# KiCad board data-center-rdimm-ddr5-tester.kicad_pcb (continued)
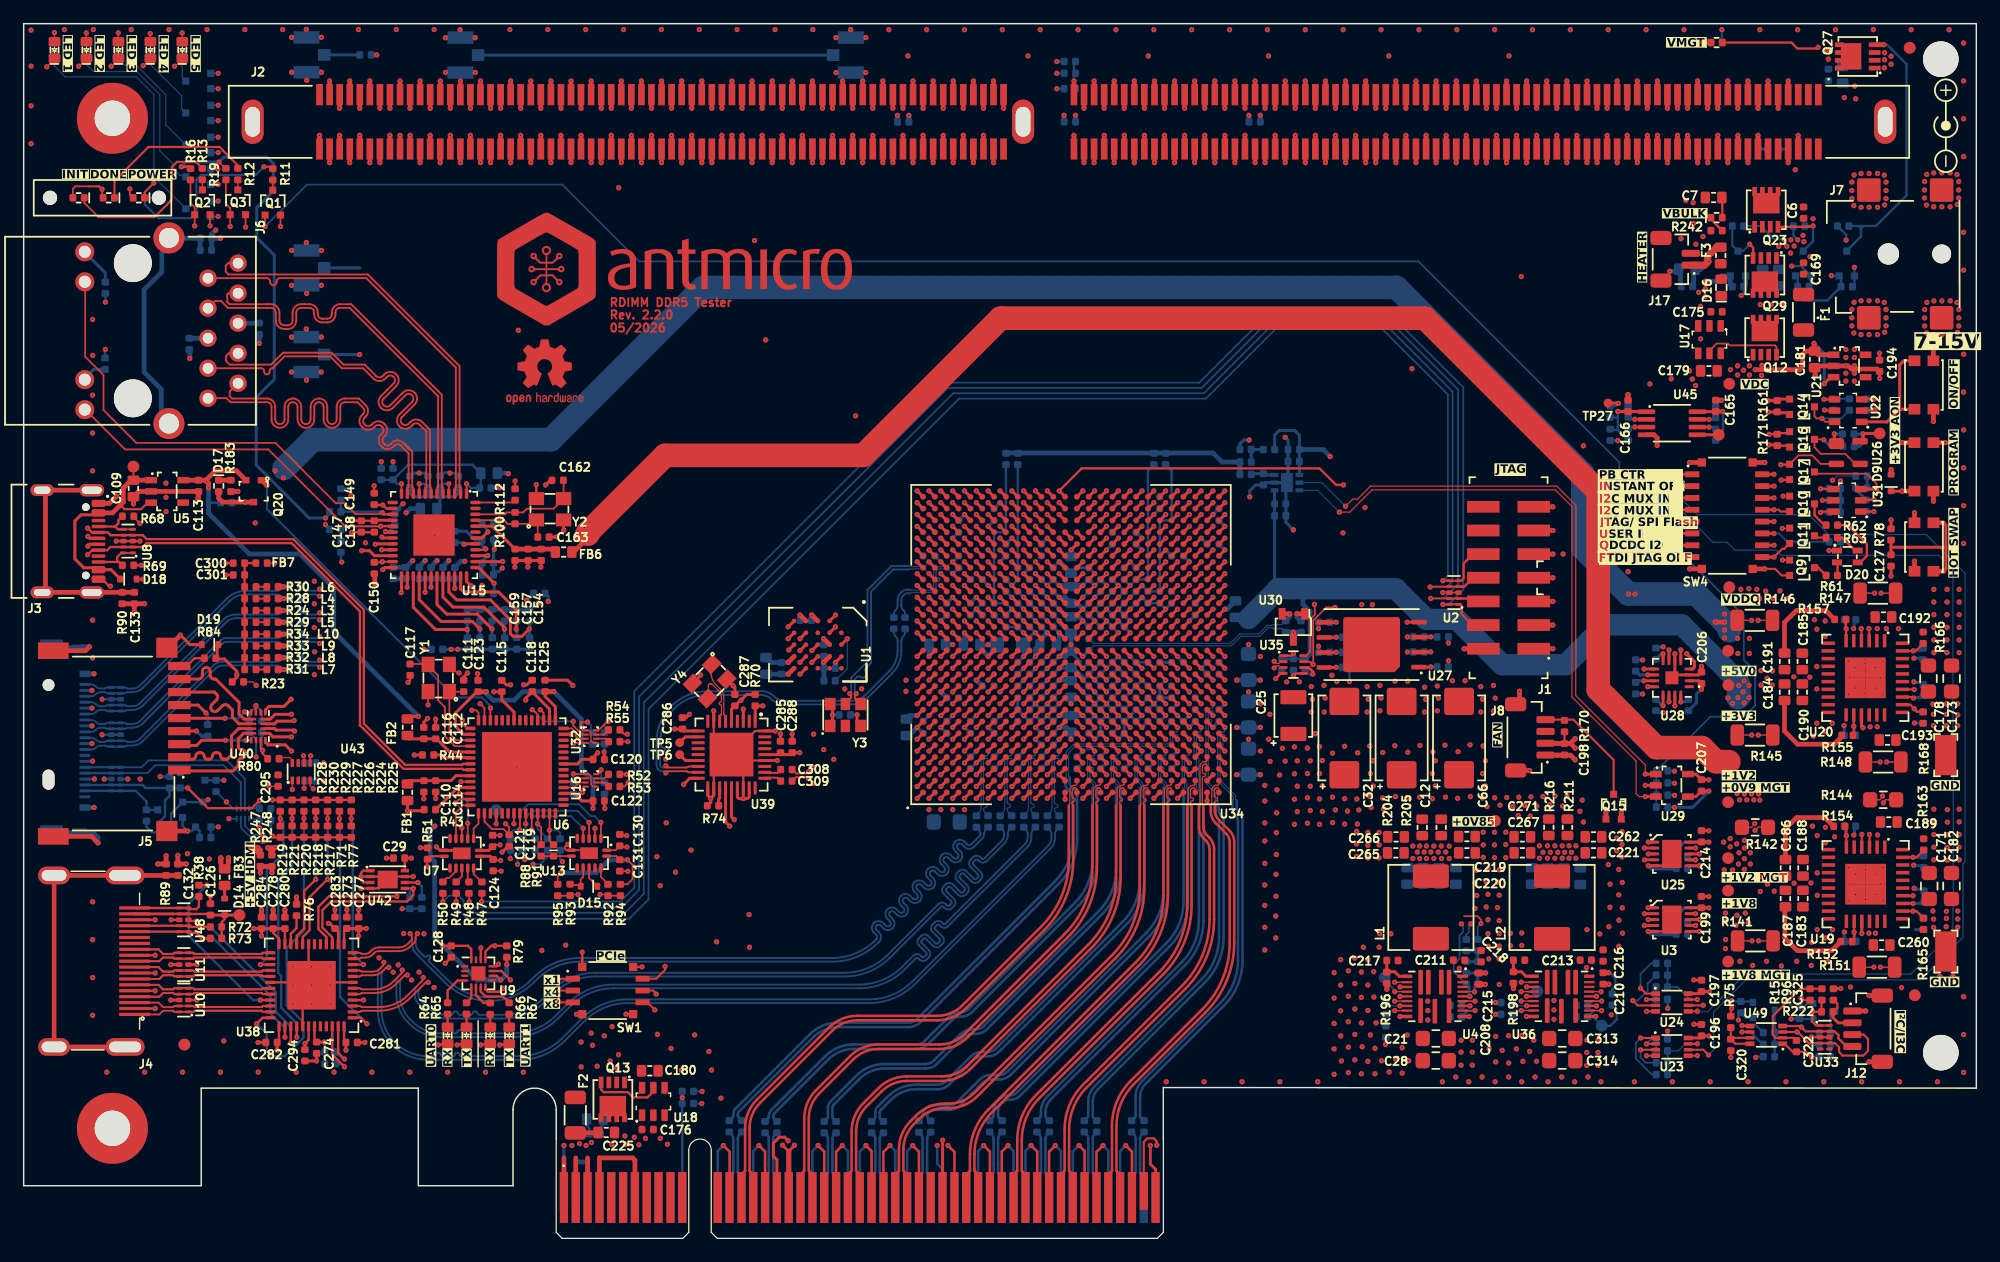
[diagram p0: board, top side]
## Library data of the parts (continued)
U26 = -: Datasheet: https://datasheets.maximintegrated.com/en/ds/MAX811-MAX812T.pdf; Manufacturer: Maxim Integrated Products; License: Apache-2.0; Author: Antmicro
U27 = -: Datasheet: https://www.winbond.com/resource-files/W25Q128JW_RevG_07292021%20Plus.pdf; Manufacturer: Winbond; MPN: W25Q128JWEIQ TR; Author: Antmicro; License: Apache-2.0
U28 = -: Datasheet: https://ww1.microchip.com/downloads/aemDocuments/documents/MSLD/ProductDocuments/DataSheets/PAC194X-Family-Data-Sheet-DS20006543.pdf; MPN: PAC1944T-E/4MX; Manufacturer: Microchip Technology; Author: Antmicro; License: Apache-2.0; ki_fp_filters: UQFN*1EP*4x4mm*P0.65mm*
U29 = -: Datasheet: http://ww1.microchip.com/downloads/en/devicedoc/Atmel-8815-SEEPROM-AT24CS01-02-Datasheet.pdf; Manufacturer: Atmel; MPN: AT24CS01-ST; Author: Antmicro; License: Apache-2.0
U30 = -: Datasheet: https://www.ti.com/lit/gpn/REF3012; Manufacturer: Texas Instruments; Author: Antmicro; License: Apache-2.0
U31 = -: Datasheet: http://www.ti.com/lit/ds/symlink/lm3880.pdf; Manufacturer: Texas Instruments; MPN: LM3880MFX-1AA/NOPB; Author: Antmicro; License: Apache-2.0; ki_fp_filters: SOT?23*
U34 = -: Datasheet: https://docs.xilinx.com/viewer/book-attachment/2PXOpPtpaABIt0fkzeBLnw/hvbsEUaOT0OxFhln7VEVyA; Manufacturer: AMD-Xilinx; Author: Antmicro; License: Apache-2.0
U35 = -: Datasheet: https://www.ti.com/lit/ds/symlink/tmp451.pdf?ts=1727409102766; Manufacturer: Texas Instruments; Author: Antmicro; License: Apache-2.0
U38 = -: Datasheet: https://www.ti.com/lit/ds/symlink/sn75dp159.pdf?ts=1728245191743&ref_url=https%253A%252F%252Fwww.mouser.de%252F; Manufacturer: Texas Instruments; Author: Antmicro; License: Apache-2.0
U39 = -: Datasheet: https://www.skyworksinc.com/-/media/Skyworks/SL/documents/public/data-sheets/Si5319.pdf; Manufacturer: Skyworks Solutions; Author: Antmicro; License: Apache-2.0
U40 = -: Datasheet: https://www.nxp.com/docs/en/data-sheet/NVT4858DS.pdf; Manufacturer: NXP; MPN: NVT4858HKZ; Author: Antmicro; License: Apache-2.0
U42 = -: Datasheet: https://eu.mouser.com/datasheet/2/389/cd00259166-1797197.pdf; Manufacturer: STMicroelectronics; MPN: M24C64-FMC6TG; Author: Antmicro; License: Apache-2.0; ki_fp_filters: UFDFPN8DFN8_2X3_STM UFDFPN8DFN8_2X3_STM-M UFDFPN8DFN8_2X3_STM-L
U43 = -: Datasheet: https://www.ti.com/lit/ds/symlink/tps2116.pdf?ts=1647438832100&ref_url=https%253A%252F%252Fwww.ti.com%252Fproduct%252FTPS2116; Manufacturer: Texas Instruments; Author: Antmicro; License: Apache-2.0; ki_fp_filters: DRL0008A-MFG
U45 = -: Datasheet: https://www.nxp.com/docs/en/data-sheet/PCA9517A.pdf; MPN: PCA9517ADP,118; Manufacturer: NXP; Author: Antmicro; License: Apache-2.0
U49 = -: Datasheet: https://www.ti.com/lit/ds/symlink/tca39306.pdf?ts=1630428611843&ref_url=https%253A%252F%252Fwww.ti.com%252Fproduct%252FTCA39306; MPN: TCA39306DCUR; Manufacturer: Texas Instruments; Author: Antmicro; License: Apache-2.0
Y1 = -: Datasheet: https://abracon.com/Resonators/ABM8G.pdf; MPN: ABM8G-12.000MHZ-18-D2Y-T; Manufacturer: Abracon; Author: Antmicro; License: Apache-2.0; Val: 12 MHz
Y2 = -: Datasheet: https://abracon.com/Resonators/ABM8G.pdf; MPN: ABM8G-25.000MHZ-18-D2Y-T3; Manufacturer: Abracon; Author: Antmicro; License: Apache-2.0; Val: 25 MHz
Y3 = -: Datasheet: https://support.epson.biz/td/api/doc_check.php?dl=brief_SG5032VAN&lang=en; Manufacturer: Epson; MPN: SG3225VAN_100.000000M-KEGA3; Val: 100MHz; Author: Antmicro; License: Apache-2.0
Y4 = -: Datasheet: https://abracon.com/Resonators/ABM8-166.pdf; MPN: ABM8-166-114.285MHZ-T2; Manufacturer: Abracon; Author: Antmicro; License: Apache-2.0; Val: 114.285 MHz

## Footprints (pads in the part's own frame, mm; a bottom-side part is the same pattern mirrored in y, then rotated)
BarrelJack_Pin2mm_694106106102
  round 1.8 hole 1.8 unplated: (-2.1,0)
  round 1.6 hole 1.6 unplated: (2.4,0)
  rrect 2x2 smd: 1(-3.75,-5.4) 1(2.4,-5.4) 2(2.4,5.4) 3(-3.75,5.4)
BGA-676_27x27mm_Layout26x26_P1x1mm_FFVB676
  round 0.5 smd: A1(-12.5,12.5) A2(-11.5,12.5) A3(-10.5,12.5) A4(-9.5,12.5) A5(-8.5,12.5) A6(-7.5,12.5) A7(-6.5,12.5) A8(-5.5,12.5) A9(-4.5,12.5) A10(-3.5,12.5) A11(-2.5,12.5) A12(-1.5,12.5) A13(-0.5,12.5) A14(0.5,12.5) A15(1.5,12.5) A16(2.5,12.5) A17(3.5,12.5) A18(4.5,12.5) A19(5.5,12.5) A20(6.5,12.5) A21(7.5,12.5) A22(8.5,12.5) A23(9.5,12.5) A24(10.5,12.5) A25(11.5,12.5) A26(12.5,12.5) AA1(-12.5,-7.5) AA2(-11.5,-7.5) AA3(-10.5,-7.5) AA4(-9.5,-7.5) AA5(-8.5,-7.5) AA6(-7.5,-7.5) AA7(-6.5,-7.5) AA8(-5.5,-7.5) AA9(-4.5,-7.5) AA10(-3.5,-7.5) AA11(-2.5,-7.5) AA12(-1.5,-7.5) AA13(-0.5,-7.5) AA14(0.5,-7.5) AA15(1.5,-7.5) AA16(2.5,-7.5) AA17(3.5,-7.5) AA18(4.5,-7.5) AA19(5.5,-7.5) AA20(6.5,-7.5) AA21(7.5,-7.5) AA22(8.5,-7.5) AA23(9.5,-7.5) AA24(10.5,-7.5) AA25(11.5,-7.5) AA26(12.5,-7.5) AB1(-12.5,-8.5) AB2(-11.5,-8.5) AB3(-10.5,-8.5) AB4(-9.5,-8.5) AB5(-8.5,-8.5) AB6(-7.5,-8.5) AB7(-6.5,-8.5) AB8(-5.5,-8.5) AB9(-4.5,-8.5) AB10(-3.5,-8.5) AB11(-2.5,-8.5) AB12(-1.5,-8.5) AB13(-0.5,-8.5) AB14(0.5,-8.5) AB15(1.5,-8.5) AB16(2.5,-8.5) AB17(3.5,-8.5) AB18(4.5,-8.5) AB19(5.5,-8.5) AB20(6.5,-8.5) AB21(7.5,-8.5) AB22(8.5,-8.5) AB23(9.5,-8.5) AB24(10.5,-8.5) AB25(11.5,-8.5) AB26(12.5,-8.5) AC1(-12.5,-9.5) AC2(-11.5,-9.5) AC3(-10.5,-9.5) AC4(-9.5,-9.5) AC5(-8.5,-9.5) AC6(-7.5,-9.5) AC7(-6.5,-9.5) AC8(-5.5,-9.5) AC9(-4.5,-9.5) AC10(-3.5,-9.5) AC11(-2.5,-9.5) AC12(-1.5,-9.5) AC13(-0.5,-9.5) AC14(0.5,-9.5) AC15(1.5,-9.5) AC16(2.5,-9.5) AC17(3.5,-9.5) AC18(4.5,-9.5) AC19(5.5,-9.5) AC20(6.5,-9.5) AC21(7.5,-9.5) AC22(8.5,-9.5) AC23(9.5,-9.5) AC24(10.5,-9.5) AC25(11.5,-9.5) AC26(12.5,-9.5) AD1(-12.5,-10.5) AD2(-11.5,-10.5) AD3(-10.5,-10.5) AD4(-9.5,-10.5) AD5(-8.5,-10.5) AD6(-7.5,-10.5) AD7(-6.5,-10.5) AD8(-5.5,-10.5) AD9(-4.5,-10.5) AD10(-3.5,-10.5) AD11(-2.5,-10.5) AD12(-1.5,-10.5) AD13(-0.5,-10.5) AD14(0.5,-10.5) AD15(1.5,-10.5) AD16(2.5,-10.5) AD17(3.5,-10.5) AD18(4.5,-10.5) AD19(5.5,-10.5) AD20(6.5,-10.5) AD21(7.5,-10.5) AD22(8.5,-10.5) AD23(9.5,-10.5) AD24(10.5,-10.5) AD25(11.5,-10.5) AD26(12.5,-10.5) AE1(-12.5,-11.5) AE2(-11.5,-11.5) AE3(-10.5,-11.5) AE4(-9.5,-11.5) AE5(-8.5,-11.5) AE6(-7.5,-11.5) AE7(-6.5,-11.5) AE8(-5.5,-11.5) AE9(-4.5,-11.5) AE10(-3.5,-11.5) AE11(-2.5,-11.5) AE12(-1.5,-11.5) AE13(-0.5,-11.5) AE14(0.5,-11.5) AE15(1.5,-11.5) AE16(2.5,-11.5) AE17(3.5,-11.5) AE18(4.5,-11.5) AE19(5.5,-11.5) AE20(6.5,-11.5) AE21(7.5,-11.5) AE22(8.5,-11.5) AE23(9.5,-11.5) AE24(10.5,-11.5) AE25(11.5,-11.5) AE26(12.5,-11.5) AF1(-12.5,-12.5) AF2(-11.5,-12.5) AF3(-10.5,-12.5) AF4(-9.5,-12.5) AF5(-8.5,-12.5) AF6(-7.5,-12.5) AF7(-6.5,-12.5) AF8(-5.5,-12.5) AF9(-4.5,-12.5) AF10(-3.5,-12.5) AF11(-2.5,-12.5) AF12(-1.5,-12.5) AF13(-0.5,-12.5) AF14(0.5,-12.5) AF15(1.5,-12.5) AF16(2.5,-12.5) AF17(3.5,-12.5) AF18(4.5,-12.5) AF19(5.5,-12.5) AF20(6.5,-12.5) AF21(7.5,-12.5) AF22(8.5,-12.5) AF23(9.5,-12.5) AF24(10.5,-12.5) AF25(11.5,-12.5) AF26(12.5,-12.5) B1(-12.5,11.5) B2(-11.5,11.5) B3(-10.5,11.5) B4(-9.5,11.5) B5(-8.5,11.5) B6(-7.5,11.5) B7(-6.5,11.5) B8(-5.5,11.5) B9(-4.5,11.5) B10(-3.5,11.5) B11(-2.5,11.5) B12(-1.5,11.5) B13(-0.5,11.5) B14(0.5,11.5) B15(1.5,11.5) B16(2.5,11.5) B17(3.5,11.5) B18(4.5,11.5) B19(5.5,11.5) B20(6.5,11.5) B21(7.5,11.5) B22(8.5,11.5) B23(9.5,11.5) B24(10.5,11.5) B25(11.5,11.5) B26(12.5,11.5) C1(-12.5,10.5) C2(-11.5,10.5) C3(-10.5,10.5) C4(-9.5,10.5) C5(-8.5,10.5) C6(-7.5,10.5) C7(-6.5,10.5) C8(-5.5,10.5) C9(-4.5,10.5) C10(-3.5,10.5) C11(-2.5,10.5) C12(-1.5,10.5) C13(-0.5,10.5) C14(0.5,10.5) C15(1.5,10.5) C16(2.5,10.5) C17(3.5,10.5) C18(4.5,10.5) C19(5.5,10.5) C20(6.5,10.5) C21(7.5,10.5) C22(8.5,10.5) C23(9.5,10.5) C24(10.5,10.5) C25(11.5,10.5) C26(12.5,10.5) D1(-12.5,9.5) D2(-11.5,9.5) D3(-10.5,9.5) D4(-9.5,9.5) D5(-8.5,9.5) D6(-7.5,9.5) D7(-6.5,9.5) D8(-5.5,9.5) D9(-4.5,9.5) D10(-3.5,9.5) D11(-2.5,9.5) D12(-1.5,9.5) D13(-0.5,9.5) D14(0.5,9.5) D15(1.5,9.5) D16(2.5,9.5) D17(3.5,9.5) D18(4.5,9.5) D19(5.5,9.5) D20(6.5,9.5) D21(7.5,9.5) D22(8.5,9.5) D23(9.5,9.5) D24(10.5,9.5) D25(11.5,9.5) D26(12.5,9.5) E1(-12.5,8.5) E2(-11.5,8.5) E3(-10.5,8.5) E4(-9.5,8.5) E5(-8.5,8.5) E6(-7.5,8.5) E7(-6.5,8.5) E8(-5.5,8.5) E9(-4.5,8.5) E10(-3.5,8.5) E11(-2.5,8.5) E12(-1.5,8.5) E13(-0.5,8.5) E14(0.5,8.5) E15(1.5,8.5) E16(2.5,8.5) E17(3.5,8.5) E18(4.5,8.5) E19(5.5,8.5) E20(6.5,8.5) E21(7.5,8.5) E22(8.5,8.5) E23(9.5,8.5) E24(10.5,8.5) E25(11.5,8.5) E26(12.5,8.5) F1(-12.5,7.5) F2(-11.5,7.5) F3(-10.5,7.5) F4(-9.5,7.5) F5(-8.5,7.5) F6(-7.5,7.5) F7(-6.5,7.5) F8(-5.5,7.5) F9(-4.5,7.5) F10(-3.5,7.5) F11(-2.5,7.5) F12(-1.5,7.5) F13(-0.5,7.5) F14(0.5,7.5) F15(1.5,7.5) F16(2.5,7.5) F17(3.5,7.5) F18(4.5,7.5) F19(5.5,7.5) F20(6.5,7.5) F21(7.5,7.5) F22(8.5,7.5) F23(9.5,7.5) F24(10.5,7.5) F25(11.5,7.5) F26(12.5,7.5) G1(-12.5,6.5) G2(-11.5,6.5) G3(-10.5,6.5) G4(-9.5,6.5) G5(-8.5,6.5) G6(-7.5,6.5) G7(-6.5,6.5) G8(-5.5,6.5) G9(-4.5,6.5) G10(-3.5,6.5) G11(-2.5,6.5) G12(-1.5,6.5) G13(-0.5,6.5) G14(0.5,6.5) G15(1.5,6.5) G16(2.5,6.5) G17(3.5,6.5) G18(4.5,6.5) G19(5.5,6.5) G20(6.5,6.5) G21(7.5,6.5) G22(8.5,6.5) G23(9.5,6.5) G24(10.5,6.5) G25(11.5,6.5) G26(12.5,6.5) H1(-12.5,5.5) H2(-11.5,5.5) H3(-10.5,5.5) H4(-9.5,5.5) H5(-8.5,5.5) H6(-7.5,5.5) H7(-6.5,5.5) H8(-5.5,5.5) H9(-4.5,5.5) H10(-3.5,5.5) H11(-2.5,5.5) H12(-1.5,5.5) H13(-0.5,5.5) H14(0.5,5.5) H15(1.5,5.5) H16(2.5,5.5) H17(3.5,5.5) H18(4.5,5.5) H19(5.5,5.5) H20(6.5,5.5) H21(7.5,5.5) H22(8.5,5.5) H23(9.5,5.5) H24(10.5,5.5) H25(11.5,5.5) H26(12.5,5.5) J1(-12.5,4.5) J2(-11.5,4.5) J3(-10.5,4.5) J4(-9.5,4.5) J5(-8.5,4.5) J6(-7.5,4.5) J7(-6.5,4.5) J8(-5.5,4.5) J9(-4.5,4.5) J10(-3.5,4.5) J11(-2.5,4.5) J12(-1.5,4.5) J13(-0.5,4.5) J14(0.5,4.5) J15(1.5,4.5) J16(2.5,4.5) J17(3.5,4.5) J18(4.5,4.5) J19(5.5,4.5) J20(6.5,4.5) J21(7.5,4.5) J22(8.5,4.5) J23(9.5,4.5) J24(10.5,4.5) J25(11.5,4.5) J26(12.5,4.5) K1(-12.5,3.5) K2(-11.5,3.5) K3(-10.5,3.5) K4(-9.5,3.5) K5(-8.5,3.5) K6(-7.5,3.5) K7(-6.5,3.5) K8(-5.5,3.5) K9(-4.5,3.5) K10(-3.5,3.5) K11(-2.5,3.5) K12(-1.5,3.5) K13(-0.5,3.5) K14(0.5,3.5) K15(1.5,3.5) K16(2.5,3.5) K17(3.5,3.5) K18(4.5,3.5) K19(5.5,3.5) K20(6.5,3.5) K21(7.5,3.5) K22(8.5,3.5) K23(9.5,3.5) K24(10.5,3.5) K25(11.5,3.5) K26(12.5,3.5) L1(-12.5,2.5) L2(-11.5,2.5) L3(-10.5,2.5) L4(-9.5,2.5) L5(-8.5,2.5) L6(-7.5,2.5) L7(-6.5,2.5) L8(-5.5,2.5) L9(-4.5,2.5) L10(-3.5,2.5) L11(-2.5,2.5) L12(-1.5,2.5) L13(-0.5,2.5) L14(0.5,2.5) L15(1.5,2.5) L16(2.5,2.5) L17(3.5,2.5) L18(4.5,2.5) L19(5.5,2.5) L20(6.5,2.5) L21(7.5,2.5) L22(8.5,2.5) L23(9.5,2.5) L24(10.5,2.5) L25(11.5,2.5) L26(12.5,2.5) M1(-12.5,1.5) M2(-11.5,1.5) M3(-10.5,1.5) M4(-9.5,1.5) M5(-8.5,1.5) M6(-7.5,1.5) M7(-6.5,1.5) M8(-5.5,1.5) M9(-4.5,1.5) M10(-3.5,1.5) M11(-2.5,1.5) M12(-1.5,1.5) M13(-0.5,1.5) M14(0.5,1.5) M15(1.5,1.5) M16(2.5,1.5) M17(3.5,1.5) M18(4.5,1.5) M19(5.5,1.5) M20(6.5,1.5) M21(7.5,1.5) M22(8.5,1.5) M23(9.5,1.5) M24(10.5,1.5) M25(11.5,1.5) M26(12.5,1.5) N1(-12.5,0.5) N2(-11.5,0.5) N3(-10.5,0.5) N4(-9.5,0.5) N5(-8.5,0.5) N6(-7.5,0.5) N7(-6.5,0.5) N8(-5.5,0.5) N9(-4.5,0.5) N10(-3.5,0.5) N11(-2.5,0.5) N12(-1.5,0.5) N13(-0.5,0.5) N14(0.5,0.5) N15(1.5,0.5) N16(2.5,0.5) N17(3.5,0.5) N18(4.5,0.5) N19(5.5,0.5) N20(6.5,0.5) N21(7.5,0.5) N22(8.5,0.5) N23(9.5,0.5) N24(10.5,0.5) N25(11.5,0.5) N26(12.5,0.5) P1(-12.5,-0.5) P2(-11.5,-0.5) P3(-10.5,-0.5) P4(-9.5,-0.5) P5(-8.5,-0.5) P6(-7.5,-0.5) P7(-6.5,-0.5) P8(-5.5,-0.5) P9(-4.5,-0.5) P10(-3.5,-0.5) P11(-2.5,-0.5) P12(-1.5,-0.5) P13(-0.5,-0.5) P14(0.5,-0.5) P15(1.5,-0.5) P16(2.5,-0.5) P17(3.5,-0.5) P18(4.5,-0.5) P19(5.5,-0.5) P20(6.5,-0.5) P21(7.5,-0.5) P22(8.5,-0.5) P23(9.5,-0.5) P24(10.5,-0.5) P25(11.5,-0.5) P26(12.5,-0.5) R1(-12.5,-1.5) R2(-11.5,-1.5) R3(-10.5,-1.5) R4(-9.5,-1.5) R5(-8.5,-1.5) R6(-7.5,-1.5) R7(-6.5,-1.5) R8(-5.5,-1.5) R9(-4.5,-1.5) R10(-3.5,-1.5) R11(-2.5,-1.5) R12(-1.5,-1.5) R13(-0.5,-1.5) R14(0.5,-1.5) R15(1.5,-1.5) R16(2.5,-1.5) R17(3.5,-1.5) R18(4.5,-1.5) R19(5.5,-1.5) R20(6.5,-1.5) R21(7.5,-1.5) R22(8.5,-1.5) R23(9.5,-1.5) R24(10.5,-1.5) R25(11.5,-1.5) R26(12.5,-1.5) T1(-12.5,-2.5) T2(-11.5,-2.5) T3(-10.5,-2.5) T4(-9.5,-2.5) T5(-8.5,-2.5) T6(-7.5,-2.5) T7(-6.5,-2.5) T8(-5.5,-2.5) T9(-4.5,-2.5) T10(-3.5,-2.5) T11(-2.5,-2.5) T12(-1.5,-2.5) T13(-0.5,-2.5) T14(0.5,-2.5) T15(1.5,-2.5) T16(2.5,-2.5) T17(3.5,-2.5) T18(4.5,-2.5) T19(5.5,-2.5) T20(6.5,-2.5) T21(7.5,-2.5) T22(8.5,-2.5) T23(9.5,-2.5) T24(10.5,-2.5) T25(11.5,-2.5) T26(12.5,-2.5) U1(-12.5,-3.5) U2(-11.5,-3.5) U3(-10.5,-3.5) U4(-9.5,-3.5) U5(-8.5,-3.5) U6(-7.5,-3.5) U7(-6.5,-3.5) U8(-5.5,-3.5) U9(-4.5,-3.5) U10(-3.5,-3.5) U11(-2.5,-3.5) U12(-1.5,-3.5) U13(-0.5,-3.5) U14(0.5,-3.5) U15(1.5,-3.5) U16(2.5,-3.5) U17(3.5,-3.5) U18(4.5,-3.5) U19(5.5,-3.5) U20(6.5,-3.5) U21(7.5,-3.5) U22(8.5,-3.5) U23(9.5,-3.5) U24(10.5,-3.5) U25(11.5,-3.5) U26(12.5,-3.5) V1(-12.5,-4.5) V2(-11.5,-4.5) V3(-10.5,-4.5) V4(-9.5,-4.5) V5(-8.5,-4.5) V6(-7.5,-4.5) V7(-6.5,-4.5) V8(-5.5,-4.5) V9(-4.5,-4.5) V10(-3.5,-4.5) V11(-2.5,-4.5) V12(-1.5,-4.5) V13(-0.5,-4.5) V14(0.5,-4.5) V15(1.5,-4.5) V16(2.5,-4.5) V17(3.5,-4.5) V18(4.5,-4.5) V19(5.5,-4.5) V20(6.5,-4.5) V21(7.5,-4.5) V22(8.5,-4.5) V23(9.5,-4.5) V24(10.5,-4.5) V25(11.5,-4.5) V26(12.5,-4.5) W1(-12.5,-5.5) W2(-11.5,-5.5) W3(-10.5,-5.5) W4(-9.5,-5.5) W5(-8.5,-5.5) W6(-7.5,-5.5) W7(-6.5,-5.5) W8(-5.5,-5.5) W9(-4.5,-5.5) W10(-3.5,-5.5) W11(-2.5,-5.5) W12(-1.5,-5.5) W13(-0.5,-5.5) W14(0.5,-5.5) W15(1.5,-5.5) W16(2.5,-5.5) W17(3.5,-5.5) W18(4.5,-5.5) W19(5.5,-5.5) W20(6.5,-5.5) W21(7.5,-5.5) W22(8.5,-5.5) W23(9.5,-5.5) W24(10.5,-5.5) W25(11.5,-5.5) W26(12.5,-5.5) Y1(-12.5,-6.5) Y2(-11.5,-6.5) Y3(-10.5,-6.5) Y4(-9.5,-6.5) Y5(-8.5,-6.5) Y6(-7.5,-6.5) Y7(-6.5,-6.5) Y8(-5.5,-6.5) Y9(-4.5,-6.5) Y10(-3.5,-6.5) Y11(-2.5,-6.5) Y12(-1.5,-6.5) Y13(-0.5,-6.5) Y14(0.5,-6.5) Y15(1.5,-6.5) Y16(2.5,-6.5) Y17(3.5,-6.5) Y18(4.5,-6.5) Y19(5.5,-6.5) Y20(6.5,-6.5) Y21(7.5,-6.5) Y22(8.5,-6.5) Y23(9.5,-6.5) Y24(10.5,-6.5) Y25(11.5,-6.5) Y26(12.5,-6.5)
Bus_DDR5_Socket_Amphenol_DDR504111002KQ
  rect 0.57x1.8 smd: 1(-63.326,-2.297) 2(-62.476,-2.297) 3(-61.625,-2.297) 4(-60.775,-2.297) 5(-59.926,-2.297) 6(-59.076,-2.297) 7(-58.226,-2.297) 8(-57.375,-2.297) 9(-56.525,-2.297) 10(-55.676,-2.297) 11(-54.826,-2.297) 12(-53.976,-2.297) 13(-53.125,-2.297) 14(-52.275,-2.297) 15(-51.426,-2.297) 16(-50.576,-2.297) 17(-49.726,-2.297) 18(-48.875,-2.297) 19(-48.025,-2.297) 20(-47.176,-2.297) 21(-46.326,-2.297) 22(-45.476,-2.297) 23(-44.625,-2.297) 24(-43.775,-2.297) 25(-42.926,-2.297) 26(-42.076,-2.297) 27(-41.226,-2.297) 28(-40.375,-2.297) 29(-39.525,-2.297) 30(-38.676,-2.297) 31(-37.826,-2.297) 32(-36.976,-2.297) 33(-36.125,-2.297) 34(-35.275,-2.297) 35(-34.426,-2.297) 36(-33.576,-2.297) 37(-32.726,-2.297) 38(-31.875,-2.297) 39(-31.026,-2.297) 40(-30.177,-2.297) 41(-29.325,-2.297) 42(-28.476,-2.297) 43(-27.625,-2.297) 44(-26.776,-2.297) 45(-25.927,-2.297) 46(-25.075,-2.297) 47(-24.226,-2.297) 48(-23.375,-2.297) 49(-22.526,-2.297) 50(-21.677,-2.297) 51(-20.825,-2.297) 52(-19.976,-2.297) 53(-19.125,-2.297) 54(-18.276,-2.297) 55(-17.427,-2.297) 56(-16.575,-2.297) 57(-15.725,-2.297) 58(-14.875,-2.297) 59(-14.026,-2.297) 60(-13.176,-2.297) 61(-12.326,-2.297) 62(-11.475,-2.297) 63(-10.625,-2.297) 64(-9.776,-2.297) 65(-8.926,-2.297) 66(-8.075,-2.297) 67(-7.226,-2.297) 68(-6.375,-2.297) 69(-5.526,-2.297) 70(-4.675,-2.297) 71(-3.826,-2.297) 72(-2.976,-2.297) 73(-2.125,-2.297) 74(-1.276,-2.297) 75(-0.425,-2.297) 76(5.525,-2.297) 77(6.373,-2.297) 78(7.224,-2.297) 79(8.073,-2.297) 80(8.925,-2.297) 81(9.775,-2.297) 82(10.624,-2.297) 83(11.473,-2.297) 84(12.323,-2.297) 85(13.175,-2.297) 86(14.025,-2.297) 87(14.874,-2.297) 88(15.723,-2.297) 89(16.574,-2.297) 90(17.425,-2.297) 91(18.274,-2.297) 92(19.123,-2.297) 93(19.975,-2.297) 94(20.824,-2.297) 95(21.675,-2.297) 96(22.524,-2.297) 97(23.373,-2.297) 98(24.225,-2.297) 99(25.074,-2.297) 100(25.925,-2.297) 101(26.774,-2.297) 102(27.623,-2.297) 103(28.475,-2.297) 104(29.324,-2.297) 105(30.175,-2.297) 106(31.024,-2.297) 107(31.873,-2.297) 108(32.725,-2.297) 109(33.575,-2.297) 110(34.423,-2.297) 111(35.274,-2.297) 112(36.124,-2.297) 113(36.975,-2.297) 114(37.825,-2.297) 115(38.673,-2.297) 116(39.524,-2.297) 117(40.374,-2.297) 118(41.225,-2.297) 119(42.075,-2.297) 120(42.923,-2.297) 121(43.773,-2.297) 122(44.624,-2.297) 123(45.475,-2.297) 124(46.325,-2.297) 125(47.173,-2.297) 126(48.023,-2.297) 127(48.874,-2.297) 128(49.725,-2.297) 129(50.575,-2.297) 130(51.423,-2.297) 131(52.273,-2.297) 132(53.124,-2.297) 133(53.975,-2.297) 134(54.825,-2.297) 135(55.673,-2.297) 136(56.523,-2.297) 137(57.374,-2.297) 138(58.225,-2.297) 139(59.075,-2.297) 140(59.923,-2.297) 141(60.773,-2.297) 142(61.624,-2.297) 143(62.475,-2.297) 144(63.325,-2.297) 145(-63.326,2.301) 146(-62.476,2.301) 147(-61.625,2.301) 148(-60.775,2.301) 149(-59.926,2.301) 150(-59.076,2.301) 151(-58.226,2.301) 152(-57.375,2.301) 153(-56.525,2.301) 154(-55.676,2.301) 155(-54.826,2.301) 156(-53.976,2.301) 157(-53.125,2.301) 158(-52.275,2.301) 159(-51.426,2.301) 160(-50.576,2.301) 161(-49.726,2.301) 162(-48.875,2.301) 163(-48.025,2.301) 164(-47.176,2.301) 165(-46.326,2.301) 166(-45.476,2.301) 167(-44.625,2.301) 168(-43.775,2.301) 169(-42.926,2.301) 170(-42.076,2.301) 171(-41.226,2.301) 172(-40.375,2.301) 173(-39.525,2.301) 174(-38.676,2.301) 175(-37.826,2.301) 176(-36.976,2.301) 177(-36.125,2.301) 178(-35.275,2.301) 179(-34.426,2.301) 180(-33.576,2.301) 181(-32.726,2.301) 182(-31.875,2.301) 183(-31.026,2.301) 184(-30.177,2.301) 185(-29.325,2.301) 186(-28.476,2.301) 187(-27.625,2.301) 188(-26.776,2.301) 189(-25.927,2.301) 190(-25.075,2.301) 191(-24.226,2.301) 192(-23.375,2.301) 193(-22.526,2.301) 194(-21.677,2.301) 195(-20.825,2.301) 196(-19.976,2.301) 197(-19.125,2.301) 198(-18.276,2.301) 199(-17.427,2.301) 200(-16.575,2.301) 201(-15.725,2.301) 202(-14.875,2.301) 203(-14.026,2.301) 204(-13.176,2.301) 205(-12.326,2.301) 206(-11.475,2.301) 207(-10.625,2.301) 208(-9.776,2.301) 209(-8.926,2.301) 210(-8.075,2.301) 211(-7.226,2.301) 212(-6.375,2.301) 213(-5.526,2.301) 214(-4.675,2.301) 215(-3.826,2.301) 216(-2.976,2.301) 217(-2.125,2.301) 218(-1.276,2.301) 219(-0.425,2.301) 220(5.525,2.301) 221(6.373,2.301) 222(7.224,2.301) 223(8.073,2.301) 224(8.925,2.301) 225(9.775,2.301) 226(10.624,2.301) 227(11.473,2.301) 228(12.323,2.301) 229(13.175,2.301) 230(14.025,2.301) 231(14.874,2.301) 232(15.723,2.301) 233(16.574,2.301) 234(17.425,2.301) 235(18.274,2.301) 236(19.123,2.301) 237(19.975,2.301) 238(20.824,2.301) 239(21.675,2.301) 240(22.524,2.301) 241(23.373,2.301) 242(24.225,2.301) 243(25.074,2.301) 244(25.925,2.301) 245(26.774,2.301) 246(27.623,2.301) 247(28.475,2.301) 248(29.324,2.301) 249(30.175,2.301) 250(31.024,2.301) 251(31.873,2.301) 252(32.725,2.301) 253(33.575,2.301) 254(34.423,2.301) 255(35.274,2.301) 256(36.124,2.301) 257(36.975,2.301) 258(37.825,2.301) 259(38.673,2.301) 260(39.524,2.301) 261(40.374,2.301) 262(41.225,2.301) 263(42.075,2.301) 264(42.923,2.301) 265(43.773,2.301) 266(44.624,2.301) 267(45.475,2.301) 268(46.325,2.301) 269(47.173,2.301) 270(48.023,2.301) 271(48.874,2.301) 272(49.725,2.301) 273(50.575,2.301) 274(51.423,2.301) 275(52.273,2.301) 276(53.124,2.301) 277(53.975,2.301) 278(54.825,2.301) 279(55.673,2.301) 280(56.523,2.301) 281(57.374,2.301) 282(58.225,2.301) 283(59.075,2.301) 284(59.923,2.301) 285(60.773,2.301) 286(61.624,2.301) 287(62.475,2.301) 288(63.325,2.301)
  oval 1.875x3.75 hole 1.25x2.53: S1(-68.976,0) S2(3.874,0) S3(68.974,0)
C_0402_1005Metric
  rrect 0.59x0.64 smd: 1(-0.48,0) 2(0.48,0)
C_0402_1005Metric_EIA
  rrect 0.6x0.6 smd: 1(-0.5,0) 2(0.498,0)
C_0603_1608Metric
  rrect 0.8x1 smd: 1(-0.7,0) 2(0.7,0)
C_0805_2012Metric
  rrect 1.2x1.3 smd: 1(-1.1,0) 2(1.1,0)
C_Pol_EIA-B
  rrect 1.2x2.2 smd: 1(-1.551,0) 2(1.55,0)
C_Pol_EIA-D
  rrect 2.31x2.52 smd: 1(-3.1,0) 2(3.1,0)
Coax_Conn_U.FL
  rect 1x1.05 smd: 1(-0.012,-1.499)
  rect 1.05x2.2 smd: SH1(1.463,0) SH2(-1.488,0)
Conn_JST_SH_1x2_BM02B-SRSS-TB-LF-SN
  rrect 1.55x0.6 smd: 1(-1.325,0.5) 2(-1.325,-0.5)
  rrect 1.8x1.2 smd: MP(1.2,1.8) MP(1.2,-1.8)
Conn_JST_SH_1x4_BM04B-SRSS-TB-LF-SN
  rrect 1.55x0.6 smd: 1(-1.45,1.5) 2(-1.45,0.5) 3(-1.45,-0.5) 4(-1.45,-1.5)
  rrect 1.8x1.2 smd: MP(1.075,2.8) MP(1.075,-2.8)
DFN-6-1EP_2x2mm_P0.65mm_EP1x1.6mm
  rect 0.82x0.63 smd: (0,-0.4) (0,0.402)
  rect 0.65x0.35 smd: 1(-1.051,0.652) 2(-1.051,0) 3(-1.051,-0.65) 4(1.05,-0.65) 5(1.05,0) 6(1.05,0.652)
  rect 1x1.6 smd: 7(0,0)
DFN-8-1EP_3x2mm_P0.5mm_EP1.36x1.46mm
  rect 0.7x0.3 smd: 1(-1.451,0.749) 2(-1.451,0.25) 3(-1.451,-0.249) 4(-1.451,-0.75) 5(1.448,-0.75) 6(1.448,-0.249) 7(1.448,0.25) 8(1.448,0.749)
  rect 1.7x1.5 smd: 9(0,0)
DFN-10-1EP_3x3mm
  rrect 0.7x0.25 smd: 1(-1.425,1) 2(-1.425,0.5) 3(-1.425,0) 4(-1.425,-0.498) 5(-1.425,-0.998) 6(1.426,-0.998) 7(1.426,-0.498) 8(1.426,0) 9(1.426,0.5) 10(1.426,1)
  rrect 1.65x2.38 smd: 11(0,0)
DHVQFN-14-1EP_2.5x3mm
  oval 0.3x0.8 smd: 1(-0.25,1.5) 7(-0.25,-1.5) 8(0.25,-1.5) 14(0.25,1.5)
  oval 0.8x0.3 smd: 2(-1.25,1) 3(-1.25,0.5) 4(-1.25,0) 5(-1.25,-0.5) 6(-1.25,-1) 9(1.25,-1) 10(1.25,-0.5) 11(1.25,0) 12(1.25,0.5) 13(1.25,1)
  rect 1x1.5 smd: 15(0,0)
F_0603_1608Metric
  rrect 0.8x1 smd: 1(-0.7,0) 2(0.7,0)
F_1206_3216Metric
  rrect 1.15x1.8 smd: 1(-1.5,-0.001) 2(1.5,-0.001)
FB_0402_1005Metric
  rrect 0.59x0.64 smd: 1(-0.48,0) 2(0.48,0)
FB_0603_1608Metric
  rrect 0.8x1 smd: 1(-0.7,0) 2(0.7,0)
FBGA-25-24_6x8mm_Layout5x5_P1mm
  round 0.4 smd: A2(-1,2) A3(0,2) A4(1,2) A5(2,2) B1(-2,1) B2(-1,1) B3(0,1) B4(1,1) B5(2,1) C1(-2,0) C2(-1,0) C3(0,0) C4(1,0) C5(2,0) D1(-2,-1) D2(-1,-1) D3(0,-1) D4(1,-1) D5(2,-1) E1(-2,-2) E2(-1,-2) E3(0,-2) E4(1,-2) E5(2,-2)
Fiducial_1mm_Mask2mm
  round 1 smd: (0,0)
HDMI-A_Receptacle_WE_685119134923
  rect 0.28x2.6 smd: 1(-4.55,-5.224) 2(-4.05,-5.224) 3(-3.551,-5.224) 4(-3.051,-5.224) 5(-2.551,-5.224) 6(-2.05,-5.224) 7(-1.551,-5.224) 8(-1.051,-5.224) 9(-0.551,-5.224) 10(-0.051,-5.224) 11(0.45,-5.224) 12(0.95,-5.224) 13(1.449,-5.224) 14(1.949,-5.224) 15(2.45,-5.224) 16(2.95,-5.224) 17(3.45,-5.224) 18(3.95,-5.224) 19(4.45,-5.224)
  oval 1.5x2.7 hole 0.9x2.1: SH(-7.3,1.577) SH(7.2,1.577)
  oval 1.5x3.3 hole 0.9x2.7: SH(-7.3,-4.424) SH(7.2,-4.424)
I-PEX_CABLINE-VS_1x20_20455-A20E-76
  rect 0.25x0.9 smd: 1(-4.75,1.803) 2(-4.25,1.803) 3(-3.75,1.803) 4(-3.25,1.803) 5(-2.75,1.803) 6(-2.25,1.803) 7(-1.75,1.803) 8(-1.25,1.803) 9(-0.75,1.803) 10(-0.25,1.803) 11(0.24,1.803) 12(0.74,1.803) 13(1.249,1.803) 14(1.749,1.803) 15(2.249,1.803) 16(2.749,1.803) 17(3.249,1.803) 18(3.749,1.803) 19(4.248,1.803) 20(4.748,1.803)
  rect 1.4x1.9 smd: SH(-7.851,-1.017) SH(7.849,-1.017)
  rect 0.7x1.27 smd: SH(-7.771,1.349) SH(7.767,1.349)
  rect 0.55x0.9 smd: SH(-5.651,1.803) SH(5.65,1.803)
L_0402_1005Metric
  rrect 0.59x0.64 smd: 1(-0.48,0) 2(0.48,0)
L_WE-HCM-7050
  rrect 2x3.05 smd: 1(-2.65,0) 2(2.65,0)
LED_0402_1005Metric_G
  rrect 0.59x0.64 smd: 1(-0.48,0) 2(0.48,0)
LED_0603_1608Metric_G
  rrect 0.8x1 smd: 1(-0.7,0) 2(0.7,0)
LED_RGY_1.6x1.6mm_APTF1616
  rect 0.85x0.5 smd: 1(-0.874,0.499) 2(0.874,0.499) 3(0.874,-0.498) 4(-0.874,-0.498)
LGA-33_7x7mm_P0.65mm
  rect 1.125x0.3 smd: 1(-3.138,1.625) 2(-3.138,0.975) 3(-3.138,0.328) 4(-3.138,-0.325) 5(-3.138,-0.972) 6(-3.138,-1.624) 17(3.136,-1.624) 18(3.136,-0.972) 19(3.136,-0.325) 20(3.136,0.328) 21(3.136,0.975) 22(3.136,1.625)
  rect 0.3x1.125 smd: 7(-2.926,-3.136) 8(-2.275,-3.136) 9(-1.625,-3.136) 10(-0.975,-3.136) 11(-0.328,-3.136) 12(0.325,-3.136) 13(0.972,-3.136) 14(1.624,-3.136) 15(2.273,-3.136) 16(2.922,-3.136) 23(2.922,3.138) 24(2.273,3.138) 25(1.624,3.138) 26(0.972,3.138) 27(0.325,3.138) 28(-0.328,3.138) 29(-0.975,3.138) 30(-1.625,3.138) 31(-2.275,3.138) 32(-2.926,3.138)
  rect 1.725x1.725 smd: 33(-0.863,0.863) 33(-0.863,-0.86) 33(0.86,0.863) 33(0.86,-0.86)
Mech_Lightpipe_Mentor_1296.2013
  round 1.2 hole 1.2 unplated: (0,4.96) (0,-4.24)
MicroSD_Wurth_693071020811
  round 1 hole 1 unplated: (-4.95,-3.485)
  oval 1.7x1 hole 1.7x1 unplated: (3.05,-3.485)
  rect 0.7x1.9 smd: 1(2.25,7.57) 2(1.15,7.57) 3(0.05,7.57) 4(-1.05,7.57) 5(-2.15,7.57) 6(-3.25,7.57) 7(-4.35,7.57) 8(-5.45,7.57) 9(-6.55,7.57)
  rect 1.7x1.8 smd: SH(-8.1,6.515) SH(7.4,6.515)
  rect 1.4x2.6 smd: SH(-7.85,-3.08) SH(7.85,-3.08)
MP_NPTH_Drill3mm
  round 3 hole 3 unplated: (0,0)
MP_Pad6mm_Drill3mm
  round 6 hole 3: 1(0,0)
NetTie-2_SMD_Pad0.127mm
  rrect 0.127x0.127 smd: 1(-0.127,0) 2(0.126,0)
Oscillator_SMD_Epson_SG3225EEN_3.2x2.5x1.2mm
  rect 1.05x0.92 smd: 1(-0.925,1.24) 3(-0.925,-1.34) 4(0.925,-1.34) 6(0.925,1.24)
  rect 1.05x0.8 smd: 2(-0.925,-0.05) 5(0.925,-0.05)
PCB-Edge_PCIexpress_x8
  rect 0.7x3.2 smd far side: A1(0,0.55)
  rect 0.7x4.3 smd far side: A2(1,0) A3(2,0) A4(3,0) A5(4,0) A6(5,0) A7(6,0) A8(7,0) A9(8,0) A10(9,0) A11(10,0) A12(13,0) A13(14,0) A14(15,0) A15(16,0) A16(17,0) A17(18,0) A18(19,0) A19(20,0) A20(21,0) A21(22,0) A22(23,0) A23(24,0) A24(25,0) A25(26,0) A26(27,0) A27(28,0) A28(29,0) A29(30,0) A30(31,0) A31(32,0) A32(33,0) A33(34,0) A34(35,0) A35(36,0) A36(37,0) A37(38,0) A38(39,0) A39(40,0) A40(41,0) A41(42,0) A42(43,0) A43(44,0) A44(45,0) A45(46,0) A46(47,0) A47(48,0) A48(49,0) A49(50,0)
  rect 0.7x4.3 smd: B1(0,0) B2(1,0) B3(2,0) B4(3,0) B5(4,0) B6(5,0) B7(6,0) B8(7,0) B9(8,0) B10(9,0) B11(10,0) B12(13,0) B13(14,0) B14(15,0) B15(16,0) B16(17,0) B17(18,0) B18(19,0) B19(20,0) B20(21,0) B21(22,0) B22(23,0) B23(24,0) B24(25,0) B25(26,0) B26(27,0) B27(28,0) B28(29,0) B29(30,0) B30(31,0) B31(32,0) B32(33,0) B33(34,0) B34(35,0) B35(36,0) B36(37,0) B37(38,0) B38(39,0) B39(40,0) B40(41,0) B41(42,0) B42(43,0) B43(44,0) B44(45,0) B45(46,0) B46(47,0) B47(48,0) B49(50,0)
  rect 0.7x3.2 smd: B48(49,0.55)
